# Altium PCB STM32_Trans_PCB.PcbDoc
Units mm, origin at the board's own origin, x right, y up, seen from the top; angles counter-clockwise.
Board outline 49.02 x 65.41 mm, 2 copper layers (Top Layer, Bottom Layer); 4 components, 5 nets, 56 pads, 2 vias.
Unrouted connection lines stored in the file: 1.
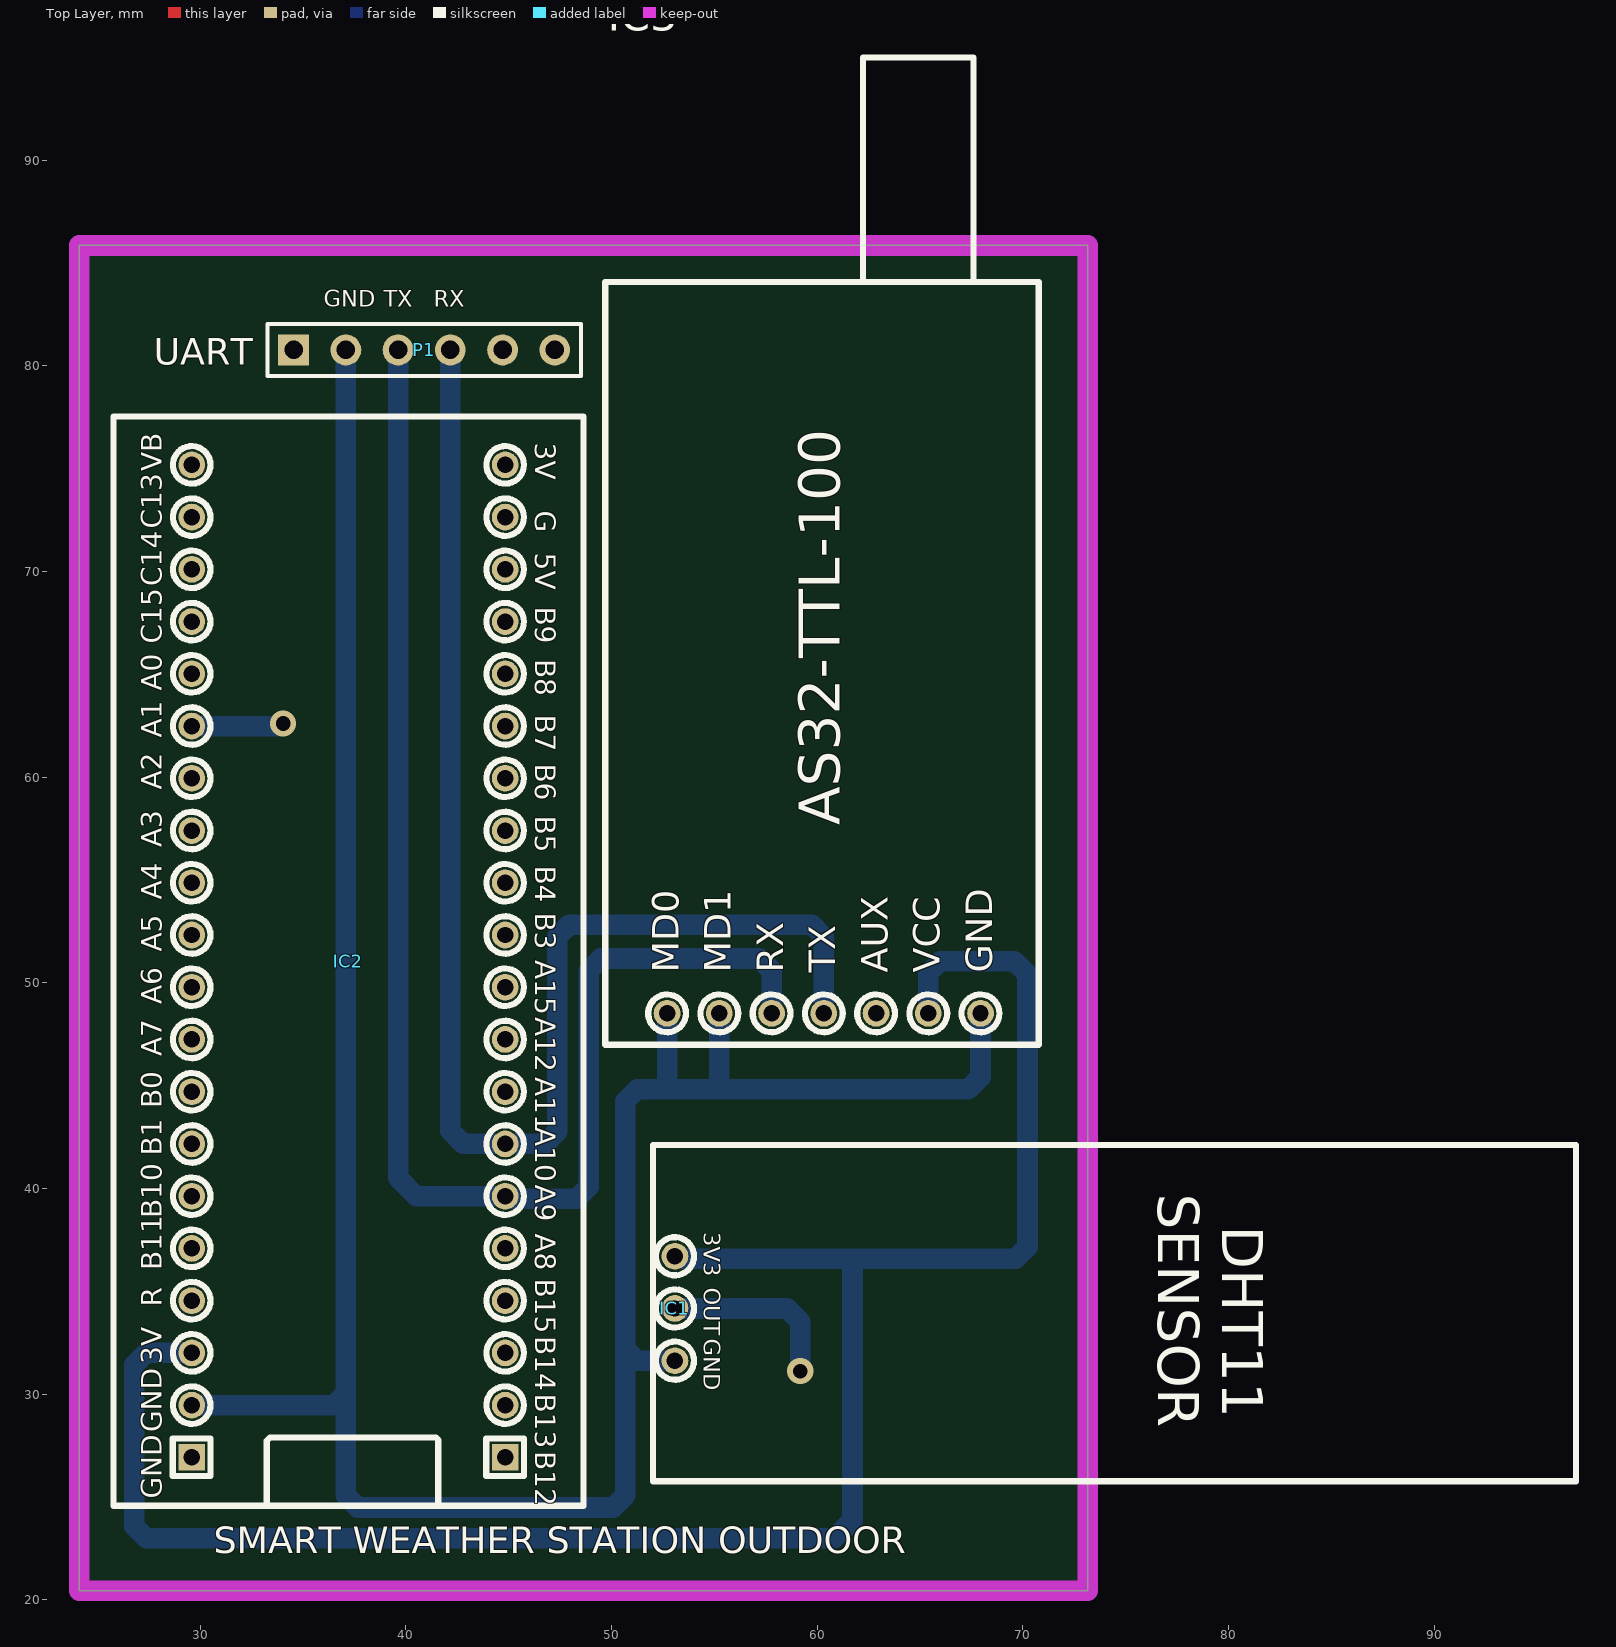
[diagram p0: Top Layer view]
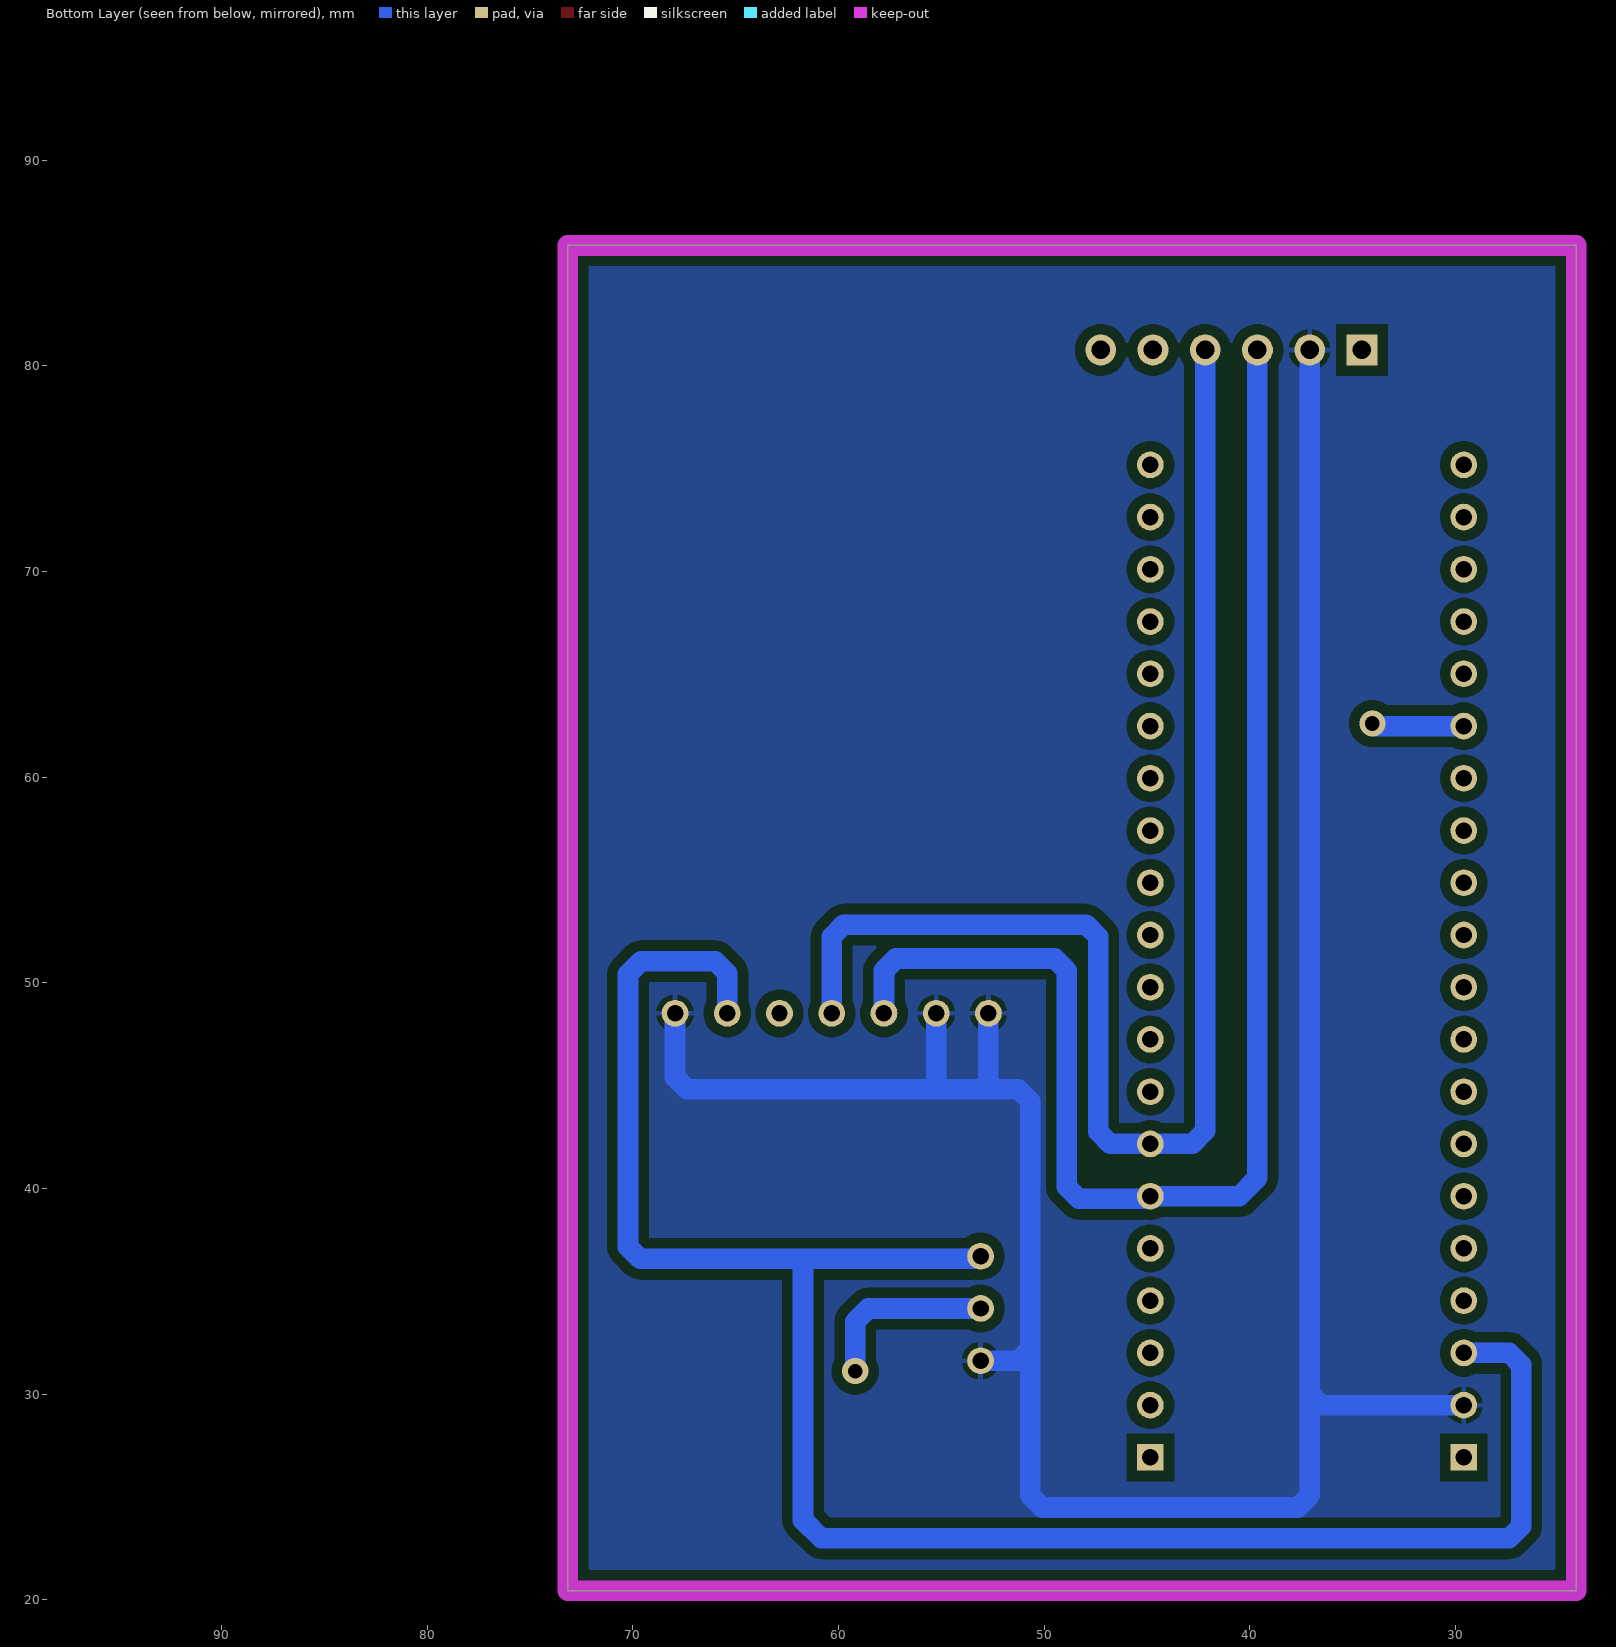
[diagram p1: Bottom Layer view, seen from below]

## Layer stack, top to bottom
Top Solder: solder mask 0.0102, Solder Resist, Dk 3.5
Top Layer: signal copper 0.0356
Dielectric 1: dielectric 0.32, FR-4, Dk 4.8
Bottom Layer: signal copper 0.0356
Bottom Solder: solder mask 0.0102, Solder Resist, Dk 3.5

## Board outline
24.13,20.447 73.152,20.447 73.152,85.852 24.13,85.852

## Design rules (kind name [scope] priority, off if disabled: settings)
Clearance Power [InNetClass('Power')] p1: gap=0.5 ignorepadtopadclearanceinfootprint=FALSE
Clearance [All] p2: gap=0.3 ignorepadtopadclearanceinfootprint=FALSE
PolygonConnect [All] p1: connectstyle=Relief reliefconductorwidth=0.254 reliefentries=4 polygonreliefangle="90 Angle" airgapwidth=0.254
RoutingVias [All] p1: holewidth=0.711 width=1.27 viastyle="Through Hole" minholewidth=0.711 minwidth=1.27 maxholewidth=0.711 maxwidth=1.27
SolderMaskExpansion [All] p1: expansion=0.102 istentingtop=FALSE
Width Width_1 [InNetClass('All Nets')] p1: maxlimit=1 minlimit=0.5 preferedwidth=0.8
Width [All] p2: maxlimit=0.5 minlimit=0.3 preferedwidth=0.5
30 further rules are at their usual default settings.

## Classes and differential pairs
net class Power: 3V3 GND

## Components (designator, comment, footprint, x,y, rotation, side; value= is the part's Value field where it differs from the comment)
IC1 "DHT11" DHT11 53.086,36.703 r270 top
IC2 "STM32F103C8T6" STM32_BLUEPILL 29.591,26.924 r90 top
IC3 "AS32 Lora" LORA 52.705,48.514 r0 top
P1 "UART1" HDR1X6 34.544,80.772 r0 top

## Footprints (in the part's own frame and the unit in brackets; to place one, negate y for a bottom-side part, rotate by r counter-clockwise, add the part's x,y. Pads: shape width x height; smd on the part's side, far side on the other; paste and mask are expansions set on the pad)
DHT11 [mm] "Sensor"
  round 1.3 hole 0.8 mask+0.1: 1(0,0) 2(2.54,0) 3(5.08,0)
  silkscreen extent -5.41,-1.07 10.94,43.82, body extent -3.9,-2.53 10.6,5.99, height 39.25
HDR1X6 [mm] "Connector; Header; 6 Position"
  rect 1.5x1.5 hole 0.9: 1(0,0)
  round 1.5 hole 0.9: 2(2.54,0) 3(5.08,0) 4(7.62,0) 5(10.16,0) 6(12.7,0)
  silkscreen extent -1.27,-1.27 13.97,1.27, body extent -1.27,-1.27 13.97,1.27, height 7
LORA [mm]
  round 1.3 hole 0.8 mask+0.1: 1(0,0) 2(2.54,0) 3(5.08,0) 4(7.62,0) 5(10.16,0) 6(12.7,0) 7(15.24,0)
  silkscreen extent -3.01,-1.52 18.07,46.48, body extent -2.78,-1.48 18.22,47.02, height 16.1
STM32_BLUEPILL [mm]
  rect 1.3x1.3 hole 0.8 mask+0.102: 1(0,0) 40(0,-15.24)
  round 1.3 hole 0.8 mask+0.102: 2(2.54,0) 3(5.08,0) 4(7.62,0) 5(10.16,0) 6(12.7,0) 7(15.24,0) 8(17.78,0) 9(20.32,0) 10(22.86,0) 11(25.4,0) 12(27.94,0) 13(30.48,0) 14(33.02,0) 15(35.56,0) 16(38.1,0) 17(40.64,0) 18(43.18,0) 19(45.72,0) 20(48.26,0) 21(48.26,-15.24) 22(45.72,-15.24) 23(43.18,-15.24) 24(40.64,-15.24) 25(38.1,-15.24) 26(35.56,-15.24) 27(33.02,-15.24) 28(30.48,-15.24) 29(27.94,-15.24) 30(25.4,-15.24) 31(22.86,-15.24) 32(20.32,-15.24) 33(17.78,-15.24) 34(15.24,-15.24) 35(12.7,-15.24) 36(10.16,-15.24) 37(7.62,-15.24) 38(5.08,-15.24) 39(2.54,-15.24)
  silkscreen extent -2.35,-19.05 50.61,3.81, body extent -2.25,-19.12 50.75,3.48, height 23.1

## Part data
IC2: library part STM32_BLUEPILL
IC3: library part LORA
P1: library part "Header 6", "Header, 6-Pin", LatestRevisionDate=17-Jul-2002, LatestRevisionNote="Re-released for DXP Platform.", Publisher="Altium Limited"

## Via types
v1: diameter 1.27, hole 0.711, Top Layer to Bottom Layer, 2 vias

## Nets (pads, with @x,y where several pads share a name; then routed paths per layer and width w, separated by ;. In a path a pad name is that pad's centre, name@x,y a point inside that pad or via, vN(x,y) a via of type N, cw(c..) or ccw(c..) an arc to the next point about the centre after c; other vN are vias at no path point)
3V3: IC1.1 IC2.3 IC3.6 | length 97.2
  Bottom Layer w1: IC2.3 27.383,32.004 26.797,31.418 26.797,23.573 27.383,22.987 60.833,22.987 61.722,23.876 61.722,36.389 61.535,36.576 ; IC1.1 53.143,36.646 53.356,36.646 53.425,36.576 61.535,36.576 ; IC3.6 65.405,50.468 65.991,51.054 69.596,51.054 70.231,50.419 70.231,37.162 69.645,36.576 61.535,36.576
A1: IC1.2 IC2.15 | length 13.3
  Bottom Layer w1: IC2.15 33.836,62.484 33.963,62.611 v1(34.036,62.611) ; IC1.2 58.547,34.163 59.182,33.528 v1(59.182,31.115)
GND: IC1.3 IC2.2 IC3.1 IC3.2 IC3.7 P1.2 | length 127
  Bottom Layer w1: IC2.2 36.498,29.464 37.084,30.05 ; P1.2 37.084,30.05 ; 52.705,45.417 IC3.1 ; IC1.3 51.259,31.623 50.673,32.209 ; IC3.2 55.245,44.958 55.372,44.831 ; IC3.7 67.945,45.417 67.359,44.831 55.372,44.831 ; 37.084,30.05 37.084,25.073 37.67,24.487 50.087,24.487 50.673,25.073 50.673,32.209 ; 50.673,32.209 50.673,44.245 51.259,44.831 55.372,44.831
UART1_RX: IC2.34 IC3.4 P1.4 | length 70.4
  Bottom Layer w1: P1.4 42.164,42.799 42.799,42.164 IC2.34 46.785,42.164 47.371,42.75 47.371,52.246 47.957,52.832 59.739,52.832 60.325,52.246 IC3.4
UART1_TX: IC2.35 IC3.3 P1.3 | length 72.2
  Bottom Layer w1: P1.3 39.624,40.513 40.513,39.624 IC2.35 44.888,39.567 45.101,39.567 45.17,39.497 48.309,39.497 48.895,40.083 48.895,50.595 49.481,51.181 57.199,51.181 57.785,50.595 IC3.3
pads on no net: IC2.1 IC2.4 IC2.5 IC2.6 IC2.7 IC2.8 IC2.9 IC2.10 IC2.11 IC2.12 IC2.13 IC2.14 IC2.16 IC2.17 IC2.18 IC2.19 IC2.20 IC2.21 IC2.22 IC2.23 IC2.24 IC2.25 IC2.26 IC2.27 IC2.28 IC2.29 IC2.30 IC2.31 IC2.32 IC2.33 IC2.36 IC2.37 IC2.38 IC2.39 IC2.40 IC3.5 P1.1 P1.5 P1.6

## Polygon pours and split planes (outlines as drawn)
GND on Bottom Layer "GND_L02_P000" (solid, remove dead copper, pour order 0): 24.13,85.852 24.13,20.447 73.152,20.447 73.152,85.852

## Keep-outs
Keep-Out Layer:
  the board outline again, w1

## Silkscreen, mask and mechanical layers (free items; w line width, h text height)
Top Overlay:
  text "GND" at 36.014,82.877 h0.8
  text "TX" at 38.935,82.877 h0.8
  text "RX" at 41.348,82.877 h0.8
  text "UART" at 27.732,80.056 h1.3
  text "SMART WEATHER STATION OUTDOOR" at 30.653,22.271 h1.3
Mechanical 4:
  lines w0.254: 19.507,23.036 20.015,21.512 ; 19.508,83.488 20.016,85.012 ; 19.761,21.512 20.269,21.512 ; 19.762,85.012 20.27,85.012 ; 20.015,46.761 20.015,21.512 ; 20.016,59.762 20.016,85.012 ; 20.523,23.036 20.015,21.512 ; 20.524,83.488 20.016,85.012 ; 24.053,16.985 24.055,17.493 ; 25.577,16.727 24.054,17.239 ; 25.579,17.743 24.054,17.239 ; 40.541,17.196 24.054,17.239 ; 56.589,17.154 73.076,17.112 ; 71.551,16.607 73.076,17.112 ; 71.553,17.623 73.076,17.112 ; 73.075,16.858 73.077,17.366
  text "63.5 (mm)" at 20.93,47.015 h1.52 r90
  text "49.022 (mm)" at 40.793,16.281 h1.52 r359.85

## Text inside footprints (layer, text, board x,y; h text height)
IC1: Top Overlay "SENSOR" at 76.586,39.743 h2 r270; Top Overlay "OUT" at 54.486,35.173 h0.8 r270; Top Overlay "3V3" at 54.486,37.873 h0.8 r270; Top Overlay "GND" at 54.486,32.703 h0.8 r270; Mechanical 2 "SENSOR" at 76.516,39.723 h2 r270; Mechanical 2 "OUT" at 54.486,35.173 h0.8 r270; Mechanical 2 "3V3" at 54.486,37.873 h0.8 r270; Mechanical 2 "GND" at 54.486,32.703 h0.8 r270
IC2: Top Overlay "B12" at 46.301,27.232 h1 r270; Top Overlay "B13" at 46.301,30.026 h1 r270; Top Overlay "B14" at 46.301,32.82 h1 r270; Top Overlay "B15" at 46.301,35.614 h1 r270; Top Overlay "A8" at 46.301,37.796 h1 r270; Top Overlay "A9" at 46.301,40.186 h1 r270; Top Overlay "A10" at 46.301,42.98 h1 r270; Top Overlay "A12" at 46.301,48.314 h1 r270; Top Overlay "A15" at 46.301,51.108 h1 r270; Top Overlay "B3" at 46.301,53.394 h1 r270; Top Overlay "B4" at 46.301,55.68 h1 r270; Top Overlay "B5" at 46.301,58.116 h1 r270; Top Overlay "B6" at 46.301,60.656 h1 r270; Top Overlay "B7" at 46.301,63.046 h1 r270; Top Overlay "B8" at 46.301,65.736 h1 r270; Top Overlay "B9" at 46.301,68.276 h1 r270; Top Overlay "5V" at 46.301,70.92 h1 r270; Top Overlay "G" at 46.301,72.952 h1 r270; Top Overlay "VB" at 28.121,74.876 h1 r90; Top Overlay "C13" at 28.121,72.082 h1 r90; Top Overlay "C14" at 28.121,69.288 h1 r90; Top Overlay "C15" at 28.121,66.494 h1 r90; Top Overlay "A0" at 28.121,64.208 h1 r90; Top Overlay "A1" at 28.121,61.922 h1 r90; Top Overlay "A2" at 28.121,59.382 h1 r90; Top Overlay "A3" at 28.121,56.588 h1 r90; Top Overlay "A7" at 28.121,46.428 h1 r90; Top Overlay "A5" at 28.121,51.508 h1 r90; Top Overlay "A4" at 28.121,54.048 h1 r90; Top Overlay "A6" at 28.121,48.968 h1 r90; Top Overlay "B0" at 28.121,43.888 h1 r90; Top Overlay "B1" at 28.121,41.602 h1 r90; Top Overlay "B10" at 28.121,38.554 h1 r90; Top Overlay "B11" at 28.121,36.014 h1 r90; Top Overlay "R" at 28.121,34.236 h1 r90; Top Overlay "3V" at 28.121,31.442 h1 r90; Top Overlay "GND" at 28.121,28.14 h1 r90; Top Overlay "GND" at 28.121,24.904 h1 r90; Top Overlay "3V" at 46.301,76.254 h1 r270; Top Overlay "A11" at 46.301,45.416 h1 r270; Mechanical 2 "B6" at 44.801,60.114 h0.3 r270; Mechanical 2 "5V" at 44.801,70.284 h0.3 r270; Mechanical 2 "B7" at 44.801,62.594 h0.3 r270; Mechanical 2 "B8" at 44.801,65.234 h0.3 r270; Mechanical 2 "B9" at 44.801,67.724 h0.3 r270; Mechanical 2 "G" at 44.801,72.604 h0.3 r270; Mechanical 2 "3.3V" at 44.801,75.764 h0.3 r270; Mechanical 2 "B12" at 44.801,27.114 h0.3 r270; Mechanical 2 "B13" at 44.801,29.744 h0.3 r270; Mechanical 2 "B14" at 44.801,32.354 h0.3 r270; Mechanical 2 "B15" at 44.801,34.874 h0.3 r270; Mechanical 2 "A8" at 44.801,37.254 h0.3 r270; Mechanical 2 "A9" at 44.801,39.824 h0.3 r270; Mechanical 2 "A10" at 44.801,42.494 h0.3 r270; Mechanical 2 "A11" at 44.801,45.044 h0.3 r270; Mechanical 2 "A12" at 44.801,47.504 h0.3 r270; Mechanical 2 "A15" at 44.801,50.084 h0.3 r270; Mechanical 2 "B3" at 44.801,52.454 h0.3 r270; Mechanical 2 "B4" at 44.801,54.974 h0.3 r270; Mechanical 2 "B5" at 44.801,57.564 h0.3 r270; Mechanical 2 "A1" at 29.731,62.354 h0.3 r90; Mechanical 2 "B11" at 29.731,36.834 h0.3 r90; Mechanical 2 "B10" at 29.731,39.374 h0.3 r90; Mechanical 2 "B1" at 29.731,42.034 h0.3 r90; Mechanical 2 "B0" at 29.731,44.514 h0.3 r90; Mechanical 2 "A7" at 29.731,47.144 h0.3 r90; Mechanical 2 "A6" at 29.731,49.624 h0.3 r90; Mechanical 2 "A5" at 29.731,52.094 h0.3 r90; Mechanical 2 "A4" at 29.731,54.614 h0.3 r90; Mechanical 2 "A3" at 29.731,57.094 h0.3 r90; Mechanical 2 "A2" at 29.731,59.744 h0.3 r90; Mechanical 2 "A0" at 29.731,64.674 h0.3 r90; Mechanical 2 "C15" at 29.731,67.214 h0.3 r90; Mechanical 2 "C14" at 29.731,69.824 h0.3 r90; Mechanical 2 "C13" at 29.731,72.324 h0.3 r90; Mechanical 2 "VB" at 29.731,75.034 h0.3 r90; Mechanical 2 "GND" at 29.731,26.614 h0.3 r90; Mechanical 2 "R" at 29.731,34.544 h0.3 r90; Mechanical 2 "GND" at 29.731,29.084 h0.3 r90; Mechanical 2 "3.3V" at 29.731,31.544 h0.3 r90
IC3: Top Overlay "AS32-TTL-100" at 61.095,57.65 h2 r90; Top Overlay "MD0" at 53.267,50.492 h1.3 r90; Top Overlay "MD1" at 55.807,50.492 h1.3 r90; Top Overlay "RX" at 58.347,50.492 h1.3 r90; Top Overlay "TX" at 60.887,50.492 h1.3 r90; Top Overlay "AUX" at 63.427,50.492 h1.3 r90; Top Overlay "VCC" at 65.967,50.492 h1.3 r90; Top Overlay "GND" at 68.507,50.492 h1.3 r90; Mechanical 2 "MD0" at 53.267,50.492 h1.3 r90; Mechanical 2 "MD1" at 55.807,50.492 h1.3 r90; Mechanical 2 "RX" at 58.347,50.492 h1.3 r90; Mechanical 2 "TX" at 60.887,50.492 h1.3 r90; Mechanical 2 "AUX" at 63.427,50.492 h1.3 r90; Mechanical 2 "VCC" at 65.967,50.492 h1.3 r90; Mechanical 2 "GND" at 68.507,50.492 h1.3 r90; Mechanical 2 "AS32-TTL-100" at 61.095,57.65 h2 r90